# Altium PCB main.PcbDoc (part 1 of 2)
Units mm, origin at the board's own origin, x right, y up, seen from the top; angles counter-clockwise.
Board outline 360 x 125 mm, 2 copper layers (Top Layer, Bottom Layer); 150 components, 259 nets, 682 pads, 0 vias.
Unrouted connection lines stored in the file: 75.
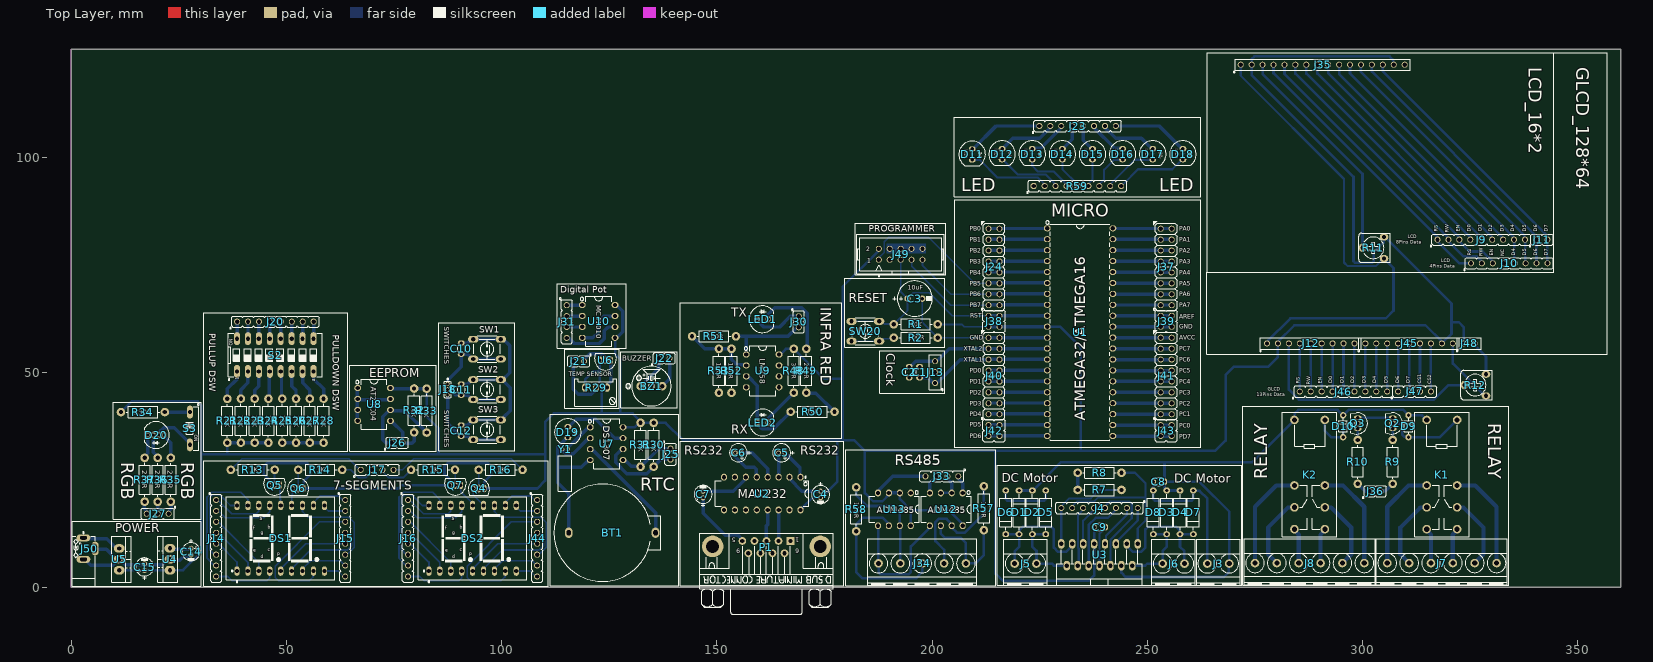
[diagram p0: Top Layer view]
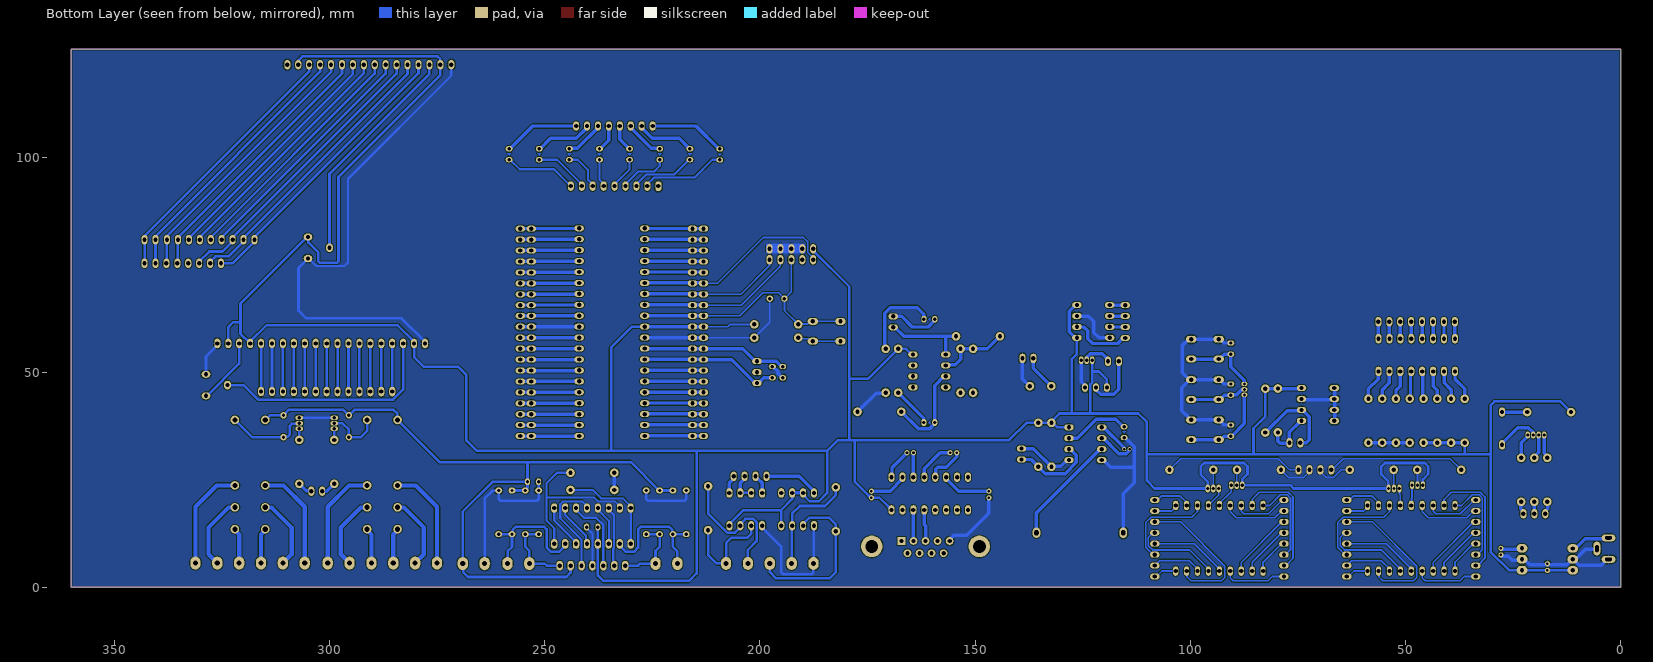
[diagram p1: Bottom Layer view, seen from below]

## Layer stack, top to bottom
Top Solder: solder mask 0.0102, Solder Resist, Dk 3.5
Top Layer: signal copper 0.0356
Dielectric 1: dielectric 0.32, FR-4, Dk 4.8
Bottom Layer: signal copper 0.0356
Bottom Solder: solder mask 0.0102, Solder Resist, Dk 3.5

## Board outline
0,0 0,125 360,125 360,0

## Design rules (kind name [scope] priority, off if disabled: settings)
Clearance [All] p1: gap=0.2 ignorepadtopadclearanceinfootprint=FALSE
PolygonConnect PolygonConnect_2 [All vs IsNamedPolygon('GND_L02_P000')] p1: thpad.connectstyle=Relief thpad.reliefconductorwidth=0.3 thpad.reliefentries=4 thpad.polygonreliefangle="90 Angle" thpad.airgapwidth=0.3 smdpad.connectstyle=Relief smdpad.reliefconductorwidth=0.254 smdpad.reliefentries=4 smdpad.polygonreliefangle="90 Angle" smdpad.airgapwidth=0.254 via.connectstyle=Relief via.reliefconductorwidth=0.254 via.reliefentries=4 via.polygonreliefangle="90 Angle" via.airgapwidth=0.254
PolygonConnect PolygonConnect_1 [All vs IsNamedPolygon('GND_L02_P000')] p2: connectstyle=Relief reliefconductorwidth=0.254 reliefentries=4 polygonreliefangle="90 Angle" airgapwidth=0.3
PolygonConnect [All] p3: connectstyle=Relief reliefconductorwidth=0.254 reliefentries=4 polygonreliefangle="90 Angle" airgapwidth=0.254
RoutingVias [All] p1: holewidth=0.711 width=1.27 viastyle="Through Hole" minholewidth=0.711 minwidth=1.27 maxholewidth=0.711 maxwidth=1.27
SolderMaskExpansion [All] p1: expansion=0.102 istentingtop=FALSE
Width [All] p1: maxlimit=10 minlimit=0.2 preferedwidth=0.25
30 further rules are at their usual default settings.

## Classes and differential pairs
component class programmer: J49
component class power: C14 C15 J50 U4 U5
component class temp_lm35: J21 R29 U6
component class stepper_motor: J1
component class seven_segment: DS1 DS2 J14 J15 J16 J17 J44 Q4 Q5 Q6 Q7 R13 R14 R15 R16
component class rtc: BT1 D19 J25 R30 R31 U7 Y1
component class rs485: J33 J34 R57 R58 U12 U13
component class rs232_usart: C4 C5 C6 C7 P1 U2
component class rgb_led: D20 J27 R34 R35 R36 R37 S3
component class relay: D9 D10 J7 J8 J36 K1 K2 Q2 Q3 R9 R10
component class push_button: C10 C11 C12 J18 SW1 SW2 SW3
component class pull_up_pull_down_switch: J20 R21 R22 R23 R24 R25 R26 R27 R28 S2
component class ps2_connector: PS1
component class led: D11 D12 D13 D14 D15 D16 D17 D18 J23 R59
component class lcd_16_2: J9 J10 J11 J35 R11
component class infra_red: J30 LED1 LED2 R48 R49 R50 R51 R52 R53 U9
component class glcd_128_64: J12 J45 J46 J47 J48 R12
component class eeprom: J26 R32 R33 U8
component class digital_pot: J31 U10
component class dc_motor: C8 C9 D1 D2 D3 D4 D5 D6 D7 D8 J3 J4 J5 J6 R7 R8 U3
component class buzzer: BZ1 J22

## Components (designator, comment, footprint, x,y, rotation, side; value= is the part's Value field where it differs from the comment)
BT1 "BAT3volt" BTH2032 123.36,12.68 r180 top
BZ1 "BUZZER" BZ_C9 134.79,46.754 r0 top
C1 "220pF" C_CER_D3 197.1,50 r90 top
C2 "220pF" C_CER_D3 194.7,50 r270 top
C3 "10uF" C_EL_8X12 196,67.1 r0 top
C4 "1uF" C_EL_4X7 174.087,21.575 r270 top
C5 "1uF" C_EL_4X7 165.07,31.275 r180 top
C6 "1uF" C_EL_4X7 155.037,31.275 r180 top
C7 "1uF" C_EL_4X7 146.782,21.575 r90 top
C8 "100nF" C_CER_D3 252.72,24.525 r0 top
C9 "100nF" C_CER_D3 238.97,14 r180 top
C10 "100nF" C_CER_D3 90.576,55.476 r90 top
C11 "100nF" C_CER_D3 90.576,45.951 r90 top
C12 "100nF" C_CER_D3 90.576,36.426 r90 top
C14 "10uF" C_EL_4X7 27.8,8.3 r270 top
C15 "10uF" C_EL_4X7 17,4.7 r90 top
D1 "1N4007" D_AX04_DO41 220.22,17.425 r90 top
D2 "1N4007" D_AX04_DO41 223.32,17.425 r90 top
D3 "1N4007" D_AX04_DO41 254.52,17.425 r90 top
D4 "1N4007" D_AX04_DO41 257.62,17.425 r90 top
D5 "1N4007" D_AX04_DO41 226.42,17.425 r270 top
D6 "1N4007" D_AX04_DO41 217.12,17.425 r270 top
D7 "1N4007" D_AX04_DO41 260.72,17.425 r270 top
D8 "1N4007" D_AX04_DO41 251.42,17.425 r270 top
D9 "1N4148" D_AX02_DO35 310.72,37.425 r90 top
D10 "1N4148" D_AX02_DO35 295.52,37.425 r90 top
D11 "LED5MM_RED" LED5MM_RED 209.33,100.6 r270 top
D12 "LED5MM_RED" LED5MM_RED 216.283,100.648 r270 top
D13 "LED5MM_RED" LED5MM_RED 223.283,100.648 r270 top
D14 "LED5MM_RED" LED5MM_RED 230.283,100.648 r270 top
D15 "LED5MM_RED" LED5MM_RED 237.283,100.648 r270 top
D16 "LED5MM_RED" LED5MM_RED 244.283,100.648 r270 top
D17 "LED5MM_RED" LED5MM_RED 251.283,100.648 r270 top
D18 "LED5MM_RED" LED5MM_RED 258.283,100.648 r270 top
D19 "LED5MM_RED" LED5MM_RED 115.359,36.048 r270 top
D20 "LED_RGB" LED5RGB 19.663,35.392 r180 top
DS1 "7SEG_2DIGIT_CC" 7SEGX2_16 48.63,11.4 r0 top
DS2 "7SEG_2DIGIT_CC" 7SEGX2_16 93.23,11.4 r0 top
J3 "CONN_TB2" TBG_2 266.52,5.525 r180 top
J4 "HDR1X8" HDR_M_1X8 238.92,18.425 r180 top value=HDRM8
J5 "CONN_TB2" TBG_2 221.72,5.525 r180 top
J6 "CONN_TB2" TBG_2 256.12,5.525 r180 top
J7 "CONN_TB6" TBG_6 318.48,5.637 r180 top
J8 "CONN_TB6" TBG_6 287.746,5.637 r180 top
J9 "HDR1X9" HDR_M_1X9 327.62,80.799 r0 top value=HDRM9
J10 "HDR1X8" HDR_M_1X8 334.12,75.3 r0 top value=HDRM8
J11 "HDRM2" HDR_M_1X2 341.73,80.8 r0 top
J12 "HDRF9" HDR_F_1X9 287.99,56.68 r0 top
J13 "HDRF3" HDR_F_1X3 200.7,50 r90 top
J14 "HDR1X8" HDR_M_1X8 33.63,11.4 r270 top value=HDRM8
J15 "HDR1X8" HDR_M_1X8 63.63,11.4 r270 top value=HDRM8
J16 "HDR1X8" HDR_M_1X8 78.23,11.4 r270 top value=HDRM8
J17 "HDR1X4" HDR_M_1X4 71.035,27.3 r0 top value=HDRM4
J18 "HDRMINI_3" HDRMINI_M_1X3 87.43,46 r270 top
J20 "HDR1X8" HDR_M_1X8 47.396,61.742 r0 top value=HDRM8
J21 "HDRM2" HDR_M_1X2 117.854,52.526 r180 top
J22 "HDRM2" HDR_M_1X2 137.73,53.2 r0 top
J23 "HDR1X8" HDR_M_1X8 233.83,107.2 r0 top value=HDRM8
J24 "HDRM_2X8" HDR_M_2X8 214.4,74.45 r270 top
J25 "HDRM2" HDR_M_1X2 139.219,30.968 r270 top
J26 "HDRM2" HDR_M_1X2 75.681,33.597 r0 top
J27 "HDRM3" HDR_M_1X3 20.044,17.104 r180 top
J30 "HDRM2" HDR_M_1X2 169.03,61.7 r270 top
J31 "HDR1X4" HDR_M_1X4 115.097,61.766 r270 top value=HDRM4
J33 "HDR1X4" HDR_M_1X4 202.283,25.784 r180 top value=HDRM4
J34 "CONN_TB5" TBG_5 197.713,5.555 r180 top
J35 "HDRF16" HDR_F_1X16 290.78,121.45 r0 top
J36 "HDRM2" HDR_M_1X2 302.986,22.352 r0 top
J37 "HDRM_2X8" HDR_M_2X8 254.4,74.45 r270 top
J38 "HDRM_2X2" HDR_M_2X2 214.4,61.83 r270 top
J39 "HDRM_2X2" HDR_M_2X2 254.4,61.83 r270 top
J40 "HDRM_2X8" HDR_M_2X8 214.4,49.11 r270 top
J41 "HDRM_2X8" HDR_M_2X8 254.4,49.11 r270 top
J42 "HDRM_2X2" HDR_M_2X2 214.4,36.43 r270 top
J43 "HDRM_2X2" HDR_M_2X2 254.4,36.43 r270 top
J44 "HDR1X8" HDR_M_1X8 108.23,11.4 r270 top value=HDRM8
J45 "HDRF9" HDR_F_1X9 310.85,56.68 r0 top
J46 "HDR1X9" HDR_M_1X9 295.605,45.485 r0 top value=HDRM9
J47 "HDR1X4" HDR_M_1X4 312.115,45.51 r0 top value=HDRM4
J48 "HDRF2" HDR_F_1X2 324.82,56.68 r0 top
J49 "CONN_ISP" IDC_2X5 192.7,77.4 r0 top
J50 "DC_POWER_JACK" JAC_PWR1 2.8,11.5 r180 top
K1 "TRA3L-12VDC-S-2Z" TR3_RELAY_TIANBO 318.48,26.201 r90 top
K2 "TRA3L-12VDC-S-2Z" TR3_RELAY_TIANBO 287.746,26.201 r90 top
LED1 "IR_TX" LED5MM_RED 160.63,62.3 r0 top
LED2 "IR_RX" LED5MM_RED 160.63,38.3 r0 top
P1 "DSUB_9RF" DSUB_9RF 161.517,9.508 r180 top
Q2 "BC945" TO92_3 307.05,38.125 r270 top
Q3 "BC945" TO92_3 298.92,38.125 r270 top
Q4 "2N2222A" TO92_3 94.663,22.968 r0 top
Q5 "2N2222A" TO92_3 47.197,23.73 r180 top
Q6 "2N2222A" TO92_3 52.658,22.968 r0 top
Q7 "2N2222A" TO92_3 89.202,23.73 r180 top
R1 "10K" R025W_AX04 196.2,61.1 r0 top
R2 "100" R025W_AX04 196.2,58 r180 top
R7 "10K" R025W_AX04 238.92,22.625 r180 top
R8 "10K" R025W_AX04 238.92,26.625 r180 top
R9 "2.2K" R025W_AX04 307.05,29.152 r90 top
R10 "2.2K" R025W_AX04 298.922,29.152 r90 top
R11 "POT10K" POT_7X5 302.53,78.9 r90 top
R12 "POT10K" POT_7X5 326.23,47 r90 top
R13 "1K" R025W_AX04 42.13,27.3 r180 top
R14 "1K" R025W_AX04 57.83,27.3 r0 top
R15 "1K" R025W_AX04 84.03,27.3 r180 top
R16 "1K" R025W_AX04 99.73,27.3 r0 top
R21 "10K" R025W_AX04 36.23,38.7 r270 top
R22 "10K" R025W_AX04 39.393,38.727 r270 top
R23 "10K" R025W_AX04 42.593,38.727 r270 top
R24 "10K" R025W_AX04 45.793,38.727 r270 top
R25 "10K" R025W_AX04 48.993,38.727 r270 top
R26 "10K" R025W_AX04 52.193,38.727 r270 top
R27 "10K" R025W_AX04 55.393,38.727 r270 top
R28 "10K" R025W_AX04 58.593,38.727 r270 top
R29 "POT10K" POT_3296W 121.918,46.43 r180 top
R30 "10K" R025W_AX04 135.298,33.127 r270 top
R31 "10K" R025W_AX04 132.25,33.127 r270 top
R32 "10K" R025W_AX04 79.63,41.1 r90 top
R33 "10K" R025W_AX04 82.539,41.071 r90 top
R34 "330" R025W_AX04 16.615,40.726 r180 top
R35 "220" R025W_AX04 23.092,24.978 r270 top
R36 "220" R025W_AX04 20.044,24.978 r270 top
R37 "220" R025W_AX04 17.03,25 r270 top
R48 "330" R025W_AX04 167.87,50.329 r270 top
R49 "220" R025W_AX04 170.791,50.329 r270 top
R50 "10K" R025W_AX04 172.23,40.8 r0 top
R51 "100" R025W_AX04 149.328,58.33 r180 top
R52 "100" R025W_AX04 153.392,50.329 r270 top
R53 "100" R025W_AX04 150.471,50.329 r270 top
R57 "120" R025W_AX04 212.048,18.382 r90 top
R58 "120" R025W_AX04 182.362,18.128 r90 top
R59 "RES_ARRAY_330R" RES_ARRAYX8 233.783,93.248 r0 top
S2 "DIPSW12" DIPSW254T_12 52.449,53.987 r90 top
S3 "DIPSW12" DIPSW254T_1 27.537,36.916 r270 top
SW1 "PUSHBUTTON" SWPBT_SPDT_6X6X5 96.584,55.349 r180 top
SW2 "PUSHBUTTON" SWPBT_SPDT_6X6X5 96.584,45.951 r180 top
SW3 "PUSHBUTTON" SWPBT_SPDT_6X6X5 96.584,36.616 r180 top
SW20 "PUSHBUTTON" SWPBT_SPDT_6X6X5 184.5,59.5 r180 top
U1 "ATMEGA32" DIP_40DW 234.4,59.3 r0 top
U2 "MAX232" DIP_16 160.53,21.8 r270 top
U3 "L298N" MULTIWATT_15V 238.92,5.025 r180 top
U4 "LF33" TO220_3 22.9,6.54 r90 top
U5 "MC78M05" TO220_3 11.1,6.5 r270 top
U6 "LM35" TO92_3 124.077,52.78 r180 top
U7 "DS1307" DIP_8 124.376,33.381 r0 top
U8 "AT24C04_DIP8" DIP_8 70.33,42.5 r0 top
U9 "LM358" DIP_8 160.63,50.3 r0 top
U10 "MC41010_DIP8" DIP_8 122.53,61.8 r0 top
U12 "ADM485" DIP_8 203.301,18.128 r270 top
U13 "ADM485" DIP_8 191.236,18.128 r270 top
Y1 "AB38T-32.768KHZ" XTAL_AB38T-32.768KHZ 114.724,32.111 r90 top

## Footprints (in the part's own frame and the unit in brackets; to place one, negate y for a bottom-side part, rotate by r counter-clockwise, add the part's x,y. Pads: shape width x height; smd on the part's side, far side on the other; paste and mask are expansions set on the pad)
7SEGX2_16 [mm] "7SEG 2DIGIT 5621 0.56\", 16pin Pitch: 2.54mm, 19X25mm"
  oval 1.2x2.2 hole 1: 1(-10.16,-7.62) 2(-7.62,-7.62) 3(-5.08,-7.62) 4(-2.54,-7.62) 5(0,-7.62) 6(2.54,-7.62) 7(5.08,-7.62) 8(7.62,-7.62) 9(10.16,-7.62) 10(10.16,7.62) 11(7.62,7.62) 12(5.08,7.62) 13(2.54,7.62) 14(0,7.62) 15(-2.54,7.62) 16(-5.08,7.62) 17(-7.62,7.62) 18(-10.16,7.62)
  silkscreen extent -12.6,-10.3 12.6,9.6, body extent -12.5,-9.52 12.5,9.53, height 8.2
BTH2032 [mm]
  oval 1.8x2.4 hole 1 slot 1.2 at 90 deg: 1(-12.38,0) 2(7.78,0)
  silkscreen extent -13.6,-11.3 11.25,11.3, body extent -13.45,-11 11.05,11, height 8.5
BZ_C9 [mm]
  round 2 hole 1: 1(-2.5,0) 2(2.5,0)
  silkscreen extent -6,-4.6 4.6,4.6, body extent -4.55,-4.55 4.55,4.55, height 5.6
C_CER_D3 [mm]
  oval 1.2x1.6 hole 0.8: 1(-1.3,0) 2(1.3,0)
  silkscreen extent -0.78,-0.9 0.78,0.9, body extent -1.75,-0.75 1.75,0.75, height 4
C_EL_4X7 [mm] "Cap Elec, D4.0X7.0H pitch: 1.5mm"
  round 1.2 hole 0.6: 1(-0.762,0) 2(0.762,0)
  silkscreen extent -2.9,-2.1 2.13,2.1, body extent -2,-2 2,2, height 1
C_EL_8X12 [mm]
  round 1.5 hole 0.8: 1(-1.7,0) 2(1.7,0)
  silkscreen extent -5.1,-4.1 4.1,4.1, body extent -4.02,-4.03 4.03,4.03, height 2.98
D_AX02_DO35 [mm]
  round 1.5 hole 0.8: 1(-2.54,0) 2(2.54,0)
  silkscreen extent -1.91,-1 1.93,1, body extent -2.81,-0.9 2.81,0.9, height 1.82
D_AX04_DO41 [mm] "DIODE 0.4 INCH SPACING DO-41"
  oval 1.4x1.6 hole 0.8: 1(-5.08,0) 2(5.08,0)
  silkscreen extent -4.2,-1.4 4.2,1.4, body extent -5.68,-1.32 5.68,1.4, height 2.85
DIP_8 [mm]
  oval 1.6x1.4 / inner round 1.4 / far side oval 2.2x1.4 hole 1: 1(-3.81,3.81) 2(-3.81,1.27) 3(-3.81,-1.27) 4(-3.81,-3.81) 5(3.81,-3.81) 6(3.81,-1.27) 7(3.81,1.27) 8(3.81,3.81)
  silkscreen extent -4.3,-5.8 3,5.8, body extent -3.94,-5.7 3.94,5.73, height 4.19
DIP_16 [mm] "DIP, pitch 2.54mm, 300mil Width"
  oval 1.6x1.4 / inner round 1.4 / far side oval 2.2x1.4 hole 1: 1(-3.81,8.89) 2(-3.81,6.35) 3(-3.81,3.81) 4(-3.81,1.27) 5(-3.81,-1.27) 6(-3.81,-3.81) 7(-3.81,-6.35) 8(-3.81,-8.89) 9(3.81,-8.89) 10(3.81,-6.35) 11(3.81,-3.81) 12(3.81,-1.27) 13(3.81,1.27) 14(3.81,3.81) 15(3.81,6.35) 16(3.81,8.89)
  silkscreen extent -4,-10.87 3,10.87, body extent -3.93,-10 3.94,10, height 5.1
DIP_40DW [mm]
  oval 1.6x1.4 / inner round 1.4 / far side oval 2.2x1.4 hole 1: 1(-7.62,24.13) 2(-7.62,21.59) 3(-7.62,19.05) 4(-7.62,16.51) 5(-7.62,13.97) 6(-7.62,11.43) 7(-7.62,8.89) 8(-7.62,6.35) 9(-7.62,3.81) 10(-7.62,1.27) 11(-7.62,-1.27) 12(-7.62,-3.81) 13(-7.62,-6.35) 14(-7.62,-8.89) 15(-7.62,-11.43) 16(-7.62,-13.97) 17(-7.62,-16.51) 18(-7.62,-19.05) 19(-7.62,-21.59) 20(-7.62,-24.13) 21(7.62,-24.13) 22(7.62,-21.59) 23(7.62,-19.05) 24(7.62,-16.51) 25(7.62,-13.97) 26(7.62,-11.43) 27(7.62,-8.89) 28(7.62,-6.35) 29(7.62,-3.81) 30(7.62,-1.27) 31(7.62,1.27) 32(7.62,3.81) 33(7.62,6.35) 34(7.62,8.89) 35(7.62,11.43) 36(7.62,13.97) 37(7.62,16.51) 38(7.62,19.05) 39(7.62,21.59) 40(7.62,24.13)
  silkscreen extent -8,-25.1 6.9,25.88, body extent -7.65,-25 7.65,25, height 5.5
DIPSW254T_1 [mm] "SWITCH DIP 1POS, THD, 2.54mm"
  oval 3x1.4 / inner round 1.4 / far side oval 2.2x1.4 hole 1: 1(-3.81,0) 4(3.81,0)
  silkscreen extent -5.8,-0.87 5.1,2.14, body extent -5,-2 5,2, height 6.86
DIPSW254T_12 [mm] "SWITCH DIP 12POS, THD, 2.54mm,"
  oval 3x1.4 / inner round 1.4 / far side oval 2.2x1.4 hole 1: 1(-3.81,13.97) 2(-3.81,11.43) 3(-3.81,8.89) 4(-3.81,6.35) 5(-3.81,3.81) 6(-3.81,1.27) 7(-3.81,-1.27) 8(-3.81,-3.81) 17(3.81,-3.81) 18(3.81,-1.27) 19(3.81,1.27) 20(3.81,3.81) 21(3.81,6.35) 22(3.81,8.89) 23(3.81,11.43) 24(3.81,13.97)
  silkscreen extent -5.9,-5.84 5.1,16, body extent -4.95,-5.59 4.95,15.95, height 6.35
DSUB_9RF [mm] "CONN, DSUB MINIATURE, 9PIN, R/A, FEMALE"
  rect 1.8x1.8 hole 1 mask+0.1: 1(-5.6,-1.27)
  round 1.8 hole 1 mask+0.1: 2(-2.8,-1.27) 3(0,-1.27) 4(2.8,-1.27) 5(5.6,-1.27) 6(-4.2,1.57) 7(-1.4,1.57) 8(1.4,1.57) 9(4.2,1.57)
  round 5 hole 3: MH1(-12.5,0) MH2(12.5,0)
  silkscreen extent -15.5,-3 15.5,15.8, body extent -15.4,-2.9 15.4,15.6, height 12.8
HDR_F_1X2 [mm] "HEADER FEMALE pitch: 2.54mm"
  round 1.4 / inner round 1.4 / far side oval 1.4x2.2 hole 1 mask+0.1: 1(-1.27,0) 2(1.27,0)
  silkscreen extent -3,-1.9 2.8,1.3, body extent -2.66,-1.3 2.67,1.2, height 8.5
HDR_F_1X3 [mm] "HEADER FEMALE pitch: 2.54mm"
  round 1.4 / inner round 1.4 / far side oval 1.4x2.2 hole 1 mask+0.1: 1(-2.54,0) 2(0,0) 3(2.54,0)
  silkscreen extent -4.27,-1.9 4.1,1.3, body extent -3.93,-1.3 3.94,1.2, height 8.5
HDR_F_1X9 [mm] "HEADER FEMALE pitch: 2.54mm"
  round 1.4 / inner round 1.4 / far side oval 1.4x2.2 hole 1 mask+0.1: 1(-10.16,0) 2(-7.62,0) 3(-5.08,0) 4(-2.54,0) 5(0,0) 6(2.54,0) 7(5.08,0) 8(7.62,0) 9(10.16,0)
  silkscreen extent -11.89,-1.9 11.7,1.3, body extent -11.55,-1.3 11.56,1.2, height 8.5
HDR_F_1X16 [mm] "Connector; Header; 16 Position"
  round 1.4 / inner round 1.4 / far side oval 1.4x2.2 hole 1: 1(-19.05,0) 2(-16.51,0) 3(-13.97,0) 4(-11.43,0) 5(-8.89,0) 6(-6.35,0) 7(-3.81,0) 8(-1.27,0) 9(1.27,0) 10(3.81,0) 11(6.35,0) 12(8.89,0) 13(11.43,0) 14(13.97,0) 15(16.51,0) 16(19.05,0)
  silkscreen extent -20.78,-1.9 20.32,1.27, body extent -20.32,-1.27 20.32,1.27, height 8.5
HDR_M_1X2 [mm] "Connector; Header; 2 Position"
  round 1.4 / inner round 1.4 / far side oval 1.4x2.2 hole 1 mask+0.1: 1(-1.27,0) 2(1.27,0)
  silkscreen extent -3,-1.7 2.57,1.3, body extent -2.54,-1.25 2.44,1.25, height 8.72
HDR_M_1X3 [mm] "Connector; Header; 3 Position"
  round 1.4 / inner round 1.4 / far side oval 1.4x2.2 hole 1 mask+0.1: 1(-2.54,0) 2(0,0) 3(2.54,0)
  silkscreen extent -4.2,-1.7 3.84,1.3, body extent -3.78,-1.27 3.84,1.27, height 8.54
HDR_M_1X4 [mm] "Connector; Header; 4 Position"
  round 1.4 / inner round 1.4 / far side oval 1.4x2.2 hole 1 mask+0.1: 1(-3.81,0) 2(-1.27,0) 3(1.27,0) 4(3.81,0)
  silkscreen extent -5.5,-1.7 5.11,1.3, body extent -5.08,-1.27 5.08,1.27, height 8.54
HDR_M_1X8 [mm] "Connector; Header; 8 Position"
  round 1.4 / inner round 1.4 / far side oval 1.4x2.2 hole 1 mask+0.1: 1(-8.89,0) 2(-6.35,0) 3(-3.81,0) 4(-1.27,0) 5(1.27,0) 6(3.81,0) 7(6.35,0) 8(8.89,0)
  silkscreen extent -10.6,-1.7 10.19,1.3, body extent -10.16,-1.3 10.16,1.19, height 8.54
HDR_M_1X9 [mm] "Connector; Header; 9 Position"
  round 1.4 / inner round 1.4 / far side oval 1.4x2.2 hole 1 mask+0.1: 1(-10.16,0) 2(-7.62,0) 3(-5.08,0) 4(-2.54,0) 5(0,0) 6(2.54,0) 7(5.08,0) 8(7.62,0) 9(10.16,0)
  silkscreen extent -11.9,-1.7 11.46,1.3, body extent -11.43,-1.3 11.43,1.19, height 8.54
HDR_M_2X2 [mm] "Connector; Header; 2x2 Position"
  round 1.4 / inner round 1.4 / far side oval 1.4x2.2 hole 1: 1(-1.27,-1.27)
  round 1.4 / inner round 1.4 / far side oval 1.4x2.2 hole 1 mask+0.1: 2(-1.27,1.27) 3(1.27,-1.27) 4(1.27,1.27)
  silkscreen extent -3,-2.97 2.57,2.57, body extent -2.56,-2.54 2.47,2.54, height 8.54
HDR_M_2X8 [mm] "Male Header 2X08 with 2.54 mm Pitch"
  round 1.4 / inner round 1.4 / far side oval 1.4x2.2 hole 1: 1(-8.89,-1.27) 2(-8.89,1.27) 3(-6.35,-1.27) 4(-6.35,1.27) 5(-3.81,-1.27) 6(-3.81,1.27) 7(-1.27,-1.27) 8(-1.27,1.27) 9(1.27,-1.27) 10(1.27,1.27) 11(3.81,-1.27) 12(3.81,1.27) 13(6.35,-1.27) 14(6.35,1.27) 15(8.89,-1.27) 16(8.89,1.27)
  silkscreen extent -10.6,-3 10.16,2.54, body extent -10.16,-2.54 10.16,2.54, height 8.43
HDRMINI_M_1X3 [mm]
  round 1 / inner round 1 / far side oval 1x1.4 hole 0.7 mask+0.05: 1(-1.27,0) 2(0,0) 3(1.27,0)
  silkscreen extent -2.61,-0.8 1.91,0.8, body extent -1.91,-0.64 1.91,0.64, height 7.3
IDC_2X5 [mm] "IDC, HEADER BOX 2X5, 10p, 2.54mm pitch"
  round 1.4 / inner round 1.4 / far side oval 1.4x2.2 hole 1 mask+0.1: 1(-5.08,-1.27) 2(-5.08,1.27) 3(-2.54,-1.27) 4(-2.54,1.27) 5(0,-1.27) 6(0,1.27) 7(2.54,-1.27) 8(2.54,1.27) 9(5.08,-1.27) 10(5.08,1.27)
  silkscreen extent -10.16,-5.2 10.16,4.6, body extent -10.18,-4.42 10.18,4.75, height 9.13
JAC_PWR1 [mm] "DC POWER JACK, 1mm, Power Jack PJ-031C"
  oval 3.2x1.6 hole 0.8 slot 1.6 at 0 deg: 1(0,0) 2(0,5)
  oval 1.6x3.2 hole 0.8 slot 1.6 at 90 deg: 3(-2.7,2.5)
  silkscreen extent -2.7,-1.4 2.6,11.3, body extent -2.9,-0.4 2.5,11.2, height 7.4
LED5MM_RED [mm]
  oval 1.2x1.6 hole 0.8: 1(-1.27,0) 2(1.27,0)
  Bottom Layer region: -0.2,0.5 -0.2,-0.5 0.3,0
  silkscreen extent -3.1,-3.1 2.6,3.1, body extent -3,-3 2.5,3, height 9.14
LED5RGB [mm]
  oval 1x1.6 hole 0.8 mask+0.1: 1(-1.905,0) 2(-0.635,0) 3(0.627,0) 4(1.905,0)
  silkscreen extent -3.1,-3.1 2.6,3.1, body extent -2.83,-2.95 2.63,2.95, height 9.6
MULTIWATT_15V [mil] "L298 straight MULTIWATT15 pitch: 1.27mm 20x5mm"
  oval 59.06x90 hole 40: 1(-350,-200) 2(-300,0) 3(-250,-200) 4(-200,0) 5(-150,-200) 6(-100,0) 7(-50,-200) 8(0,0) 9(50,-200) 10(100,0) 11(150,-200) 12(200,0) 13(250,-200) 14(300,0) 15(350,-200)
  silkscreen extent -390,-146 390,181, body extent -386,-213 386,177, height 819
POT_7X5 [mm] "POT, TRIM, 7.5X5.0mm, pitch: 5.0mm"
  oval 1.6x2 hole 1: 1(-2.5,-2.5) 3(2.5,-2.5)
  oval 2x1.6 hole 1: 2(0,2.5)
  silkscreen extent -3.4,-3.9 3.4,3.4, body extent -3.25,-3.78 3.25,3.27, height 7
POT_3296W [mm] "POT, TRIM, 10.0X5.0mm, pitch: 2.5mm 3299W 3296W S64W"
  oval 1.4x2 / inner round 1.2 / far side oval 1.4x2 hole 0.9: 1(-2.54,0) 2(0,0) 3(2.54,0)
  silkscreen extent -4.8,-2 4.9,4.4, body extent -4.73,-1.85 4.8,4.25, height 11.56
R025W_AX04 [mm]
  round 2 hole 1: 1(-5.1,0) 2(5.1,0)
  silkscreen extent -3.9,-1.3 3.9,1.3, body extent -5.38,-1.28 5.38,1.28, height 2.6
RES_ARRAYX8 [mm]
  oct 1.4x1.4 / inner oct 1.4x1.4 / far side oct 1.4x2.2 hole 1 mask+0.1: 1(-10.16,0)
  round 1.4 / inner round 1.4 / far side oval 1.4x2.2 hole 1 mask+0.1: 2(-7.62,0) 3(-5.08,0) 4(-2.54,0) 5(0,0) 6(2.54,0) 7(5.08,0) 8(7.62,0) 9(10.16,0)
  silkscreen extent -11.83,-1.7 11.46,1.3, body extent -11.41,-1.3 11.41,1.2, height 6.43
SWPBT_SPDT_6X6X5 [mm] "SWITCH, PUSHBUTTON, THD, SPDT, 6X6mm"
  oval 2.4x1.6 hole 1 mask+0.1: 1(-3.2,2.3) 2(-3.2,-2.3) 3(3.2,-2.3) 4(3.2,2.3)
  silkscreen extent -3.1,-3.1 3.1,3.1, body extent -3.87,-3.01 3.87,3.02, height 5.01
TBG_2 [mm]
  round 2 / inner round 2 / far side oval 2.4x3 hole 1.2: 1(-2.54,0) 2(2.54,0)
  silkscreen extent -5.08,-5.6 5.05,5.08, body extent -5,-5.5 5,5, height 14
TBG_5 [mm]
  round 2 / inner round 2 / far side oval 2.4x3 hole 1.2: 1(-10.16,0) 2(-5.08,0) 3(0,0) 4(5.08,0) 5(10.16,0)
  silkscreen extent -12.7,-5.7 12.7,5.08, body extent -12.58,-5.5 12.62,5, height 14.1
TBG_6 [mm]
  round 2 / inner round 2 / far side oval 2.4x3 hole 1.2: 1(-12.7,0) 2(-7.62,0) 3(-2.54,0) 4(2.54,0) 5(7.62,0) 6(12.7,0)
  silkscreen extent -15.24,-5.6 15.24,5.08, body extent -15.12,-5.5 15.12,5, height 14.1
TO92_3 [mm]
  oval 1x1.8 hole 0.8 mask+0.1: 1(-1.27,0) 2(0,0) 3(1.27,0)
  silkscreen extent -2.5,-1.59 2.5,2.3, body extent -2.38,-1.45 2.38,2.18, height 4.82
TO220_3 [mm] "TO-220 3 LEAD, TO-262, pitch: 2.54mm  10x4.5mm"
  oval 2x2.5 hole 1: 1(-2.54,0) 2(0,0) 3(2.54,0)
  silkscreen extent -5.33,-1.78 5.33,2.79, body extent -5.2,-1.85 5.2,2.65, height 19
TR3_RELAY_TIANBO [mm]
  round 2 hole 1.2: 1(-12.69,3.53) 2(-7.61,3.53) 3(-2.53,3.53) 4(12.69,3.53) 5(12.69,-3.53) 6(-2.53,-3.53) 7(-7.61,-3.53) 8(-12.69,-3.53)
  silkscreen extent -14.5,-6.35 14.5,6.35
XTAL_AB38T-32.768KHZ [mm]
  round 0.91 hole 0.56: 1(0,0.635) 2(0,-0.635)
  silkscreen extent -9.8,-1.6 -1.5,1.6

## Part data
BT1: library part BATH_CR2032, "BATTERY HOLDER, CR2032", .=http://www.chila.ir, MANF_P#=-
BZ1: library part BUZZER_C9, "Buzzer, 9mm, Magnetic Transducer", MANF=Mallory, MANF_P#=PB-09N23P-03Q, PARAM=2.7KHz, PARAM2="3V, 30mA", PRICE=$3
C1 C2 C8 C9 C10 C11 C12: library part CAP_THD_CERML, "CAP, THD, CER MULTI LAYER,", ASSEMBLY=ASSEMBLY, DESC="CAP, CER MULTI LAYER,", MANF=MANF, MANF_P#=MANF_PART#, PARAM=50V, PARAM2=PARAM2, PRICE="100= 1$"
C3: library part CAP_THD_EL, "CAP, THD, ELEC,", ASSEMBLY=ASSEMBLY, DESC=DESCRIPTION, DIST#=MOUSER, MANF=MANF, MANF_P#=MANF_PART#, PARAM=20%, PARAM2=25V, PRICE="10= 5$"
C4 C5 C6 C7 C14 C15: library part CAP_THD_EL_10u25V, "CAP, THD, ELEC, 10uF, 25V", MANF=MANF, MANF_P#=MANF_PART#, PARAM=25V, PARAM2=PARAM2
D1 D2 D3 D4 D5 D6 D7 D8: library part DIODE_SMD_1N4007, "DIODE, GENERAL PURPOSE, 1000V/1A", ASSEMBLY=ASSEMBLY, DESC=DESCRIPTION, MANF=Kingtronics, MANF_P#=M7, PARAM="1000V VRRM", PARAM2=1A, PRICE=PRICE
D9 D10: library part DIODE_THD_1N4148_DO35, "DIODE, FAST SWTICHING, THD", ASSEMBLY=ASSEMBLY, DESC=DESCRIPTION, MANF=MANF, MANF_P#=1N4148, PARAM=75V, PARAM2=0.3A, PRICE=PRICE
D11 D12 D13 D14 D15 D16 D17 D18 D19: library part LED_THD_5MM_RED, "LED, THD, 5MM, RED", ASSEMBLY=ASSEMBLY, DESC=DESCRIPTION, MANF=MANF, MANF_P#=MANF_PART#, PARAM2=2.2V, PRICE=PRICE
D20: library part LED_THD_5MM_RGB_CA, "LED, THD, 5MM, RGB COMMON CATHODE", ASSEMBLY=ASSEMBLY, DESC=DESCRIPTION, MANF="CHINA YOUNG", MANF_P#=YSL-R596CR3G4B5C-C10, PRICE=PRICE
DS1 DS2: "7SEGMENT, 2DIGIT, common cathode"
J3 J5 J6 J7 J8 J34: "CONN, TERMINAL BLOCK, 5.08mm pitch"
J4 J10 J14 J15 J16 J20 J23 J44: library part HDR_M_1X8, "CONN, HEADER, Male, pitch: 2.54mm, 8POS"
J9 J46: library part HDR_M_1X9, "CONN, HEADER, Male, pitch: 2.54mm, 9POS"
J11 J21 J22 J25 J26 J30 J36: library part HDR_M_1X2, "CONN, HEADER, Male, pitch: 2.54mm, 2POS"
J12 J45: library part HDR_F_1X9, "CONN, HEADER, Female, pitch: 2.54mm, 9POS"
J13: library part HDR_F_1X3, "CONN, HEADER, Female, pitch: 2.54mm, 3POS"
J17 J31 J33 J47: library part HDR_M_1X4, "CONN, HEADER, Male, pitch: 2.54mm, 4POS"
J18: library part HDRMINI_M_1X3, "CONN, HEADER, Male, pitch: 1.27mm, 3POS"
J24 J37 J40 J41: library part HDR_M_2X8, "CONN, HEADER, Male, pitch: 2.54mm, 16POS"
J27: library part HDR_M_1X3, "CONN, HEADER, Male, pitch: 2.54mm, 3POS"
J35: library part HDR_F_1X16, "CONN, HEADER, Female, pitch: 2.54mm, 16POS"
J38 J39 J42 J43: library part HDR_M_2X2, "CONN, HEADER, Male, pitch: 2.54mm, 4POS", MANF=MANF, MANF_P#=MANF_PART#
J48: library part HDR_F_1X2, "CONN, HEADER, Female, pitch: 2.54mm, 2POS"
J49: library part CONN_AVR_ISP_IDC10, "CONN, ISP, AVR"
J50: library part CONN_PWR_JACKR1, "CONN, PWR JACK DC, PLUG DIAM 1.0MM RA THD", MANF="CUI STACK", MANF_P#="PJ-031CH, PJ-031C", PARAM="CH 3A, C 2A"
K1 K2: library part RELAY_TRA3, MANF=TIANBO
LED1 LED2 U3: "CREATED BY J"
P1: library part CONN_DSUB_9RF, "CONN, DSUB, HD, 9PIN, R/A, FEMALE, THD", MANF=-, MANF_P#=-
Q2 Q3: library part NPN_BC945_TO92, "BJT, NPN, 50v, 0.15A, THD, TO92, BC945", MANF=-, MANF_P#="2SC945, BC945", PARAM="50v, 0.15A", PARAM2=250mW
Q4 Q5 Q6 Q7: library part NPN_2N2222A_TO92, "BJT, NPN, 40v, 0.6A, THD, TO92", MANF=DIOTEC, MANF_P#=2N2222A, PARAM="0.6A, hFE100~300", PARAM2="40v, 625mW"
R1 R2 R7 R8 R9 R10 R13 R14 R15 R16 R21 R22 R23 R24 R25 R26 R27 R28 R30 R31 R32 R33 R34 R35 R36 R37 R48 R49 R50 R51 R52 R53 R57 R58: library part RES_THD, "RESISTOR, THD", ASSEMBLY=ASSEMBLY, DESC=DESCRIPTION, DIST#=MOUSER, MANF="KOA SPEER", MANF_P#=RK73H1ETTP4701F, PARAM=0.063W, PARAM2=1%, PRICE="100= 0.5$"
R11 R12: library part RES_THD_POT_7X5, "RESISTOR, THD, Potentiometer"
R29: library part RES_THD_POT_3296W, "RESISTOR, THD, Potentiometer"
R59: library part RES_THD_ARRAY, "RESISTOR, THD, Array, 8RES"
S2 S3: library part DIPSW254T_12P, "SWITCH, DIP, 12P, THD", MANF=MANF, MANF_P#=MANF_P#
SW1 SW2 SW3 SW20: library part SWPBT_SPDT_6X6X5, "SWITCH, PUSH BUTTON, TACTILE, THD, SPDT, 4X4MM", ASSEMBLY=ASSEMBLY, DESC=DESCRIPTION, MANF=-, MANF_P#=-, PARAM=PARAM, PRICE=PRICE
U1: library part ATMEGA32A_DIP40, "MCU, AVR, 8-Bit, 32KB, 2KB RAM, 16MHz", DESC="1KB EEPROM", MANF=ATMEL/MICROCHIP, MANF_P#=ATMEGA32A-PU, PARAM="32KB, 2KB RAM, 16MHz, -40~85°C", PARAM2=2.7~5.5V, PRICE=3.5$
U2: library part MAX232_DIP16, "RS-232, DUAL, +5V, Driver/Receiver", MANF="Texas Instruments, Maxim Integrated", MANF_PART#="MAX232N, MAX232ACPE", PARAM=PARAM, PRICE=1500toman@PAYA
U4: library part VREG_LFXX_TO220, "REG, Linear, LDO0.45V, 0.5A, TO-220", MANF=ST, MANF_P#=LF33, PARAM="LDO0.45V, 0.5A", PARAM2=1.5/1.8/2.5/3.3/5V, PRICE=1500t
U5: library part VREG_78M05_TO220, "REG, Linear, Fixed, 5v, 1.5A, TO-220", MANF="TI, ST, FAIRCHILD, ON, NJR, TS", MANF_P#="LM78M05CT, LM7805CT, LM7805ACT, UA7805CKC, L7805ABV, L7805ACV, L7805CV, L78M05CV, KA78T05, KA7805ETU, MC78M05BT, MC78M05CT, MC7805ACT, MC7805ABT, NCP7805TG, NJM7805FA, TS7805CZ", PARAM="5v, 1.5A", PARAM2=PARAM2
U6: library part TMP_LM35_TO92, "SENSOR, TEMP, ANALOG, -55~150oC, 4~20Vcc, Out 0mV + 10mV/oC", MANF=TI, MANF_P#="LM35CZ, LM35CAZ or LM35DZ", PARAM="0.5°C Accuracy, 10mV/oC, -55~150oC", PARAM2=4~20Vcc, PRICE=7$
U7: library part DS1307_DIP8, "Real-Time Clock, 64 X8, I2C, 56B, Batt", MANF="Maxim Integrated", MANF_P#=DS1307N+, PARAM="64 X8, I2C, 56B, Batt, -40~85oC", PARAM2=4.5~5.5V, PRICE=3.7$
U8: library part EEPROM_I2C_AT24C04_DIP8
U9: library part LM358_DIP8, "AMP, Dual, Low-Power", MANF="Texas Instruments, Fairchild", MANF_P#=LM358AN, PARAM2="3 V ~ 32 V, ±1.5 V ~ 16 V", PRICE=-
U10: library part MCP41010_DIP8, "CREATED BY J / Single/Dual Digital Potentiometer with SPI™ Interface", MANF=MICROCHIP
U12 U13: library part ADM485_DIP8, "RS-485 Transceiver, 5V, DIP-8, ±7V Ground Difference Between Devices on the Bus", MANF="Analog Devices", MANF_P#=ADM485AN, PRICE=4000toman@PAYA
Y1: Package=None, Availability=Unavailable, MP=AB38T-32.768KHZ, PRICE=None

## Nets (pads, with @x,y where several pads share a name; then routed paths per layer and width w, separated by ;. In a path a pad name is that pad's centre, name@x,y a point inside that pad or via, vN(x,y) a via of type N, cw(c..) or ccw(c..) an arc to the next point about the centre after c; other vN are vias at no path point)
3V3: C14.1 U4.3 | length 4.9
  Bottom Layer w0.6: U4.3@22.7,8.88 U4.3@22.709,8.871 ; C14.1@27.591,8.871 C14.1@27.6,8.862
  Bottom Layer w0.8: U4.3@22.709,8.871 C14.1@27.591,8.871
"7 ~ 9V": J50.1 U5.1 | length 9.3
  Bottom Layer w0.8: J50.1@2.6,11.3 8.19,11.3 10.65,8.84 U5.1@10.9,8.84
+12: C8.2 D1.2 D2.2 D3.2 D4.2 D9.2 D10.2 J3.1 K1.4 K2.4 U3.4 | length 174.8
  Bottom Layer w0.6: D1.2@220.22,22.505 D2.2@223.32,22.505 223.42,22.505 230.015,29.1 254.1,29.1 ; U3.4@244,5.025 244,3.4 245,2.4 267.8,2.4 268.958,3.558 268.958,5.423 J3.1@269.06,5.525 269.06,17.61 262.17,24.5 254.045,24.5 C8.2@254.02,24.525 ; D4.2@257.62,22.505 D3.2@254.52,22.505 254.52,22.621 254.02,23.121 C8.2@254.02,24.525 ; K1.4@314.95,38.891 313.876,39.965 D9.2@310.72,39.965 309.385,41.3 296.855,41.3 D10.2@295.52,39.965 295.507,39.965 294.247,41.225 285.12,41.225 284.245,40.35 284.245,38.92 K2.4@284.216,38.891 274.425,29.1 254.1,29.1 ; C8.2@254.02,24.525 254.02,29.02 254.1,29.1
A1: J34.1 R57.1 U12.6 | length 24.1
  Bottom Layer w0.6: U12.6@202.031,14.318 202.031,12.446 202.993,11.484 206.693,11.484 207.873,10.304 J34.1@207.873,5.555 210.064,5.555 212.048,7.539 R57.1@212.048,13.282
A2: J34.3 R58.1 U13.6 | length 38.9
  Bottom Layer w0.6: U13.6@189.966,14.318 189.966,14.718 188.5,16.184 183.993,16.184 182.362,14.553 182.362,3.515 183.793,2.084 196.274,2.084 197.697,3.507 197.697,5.539 J34.3@197.713,5.555
AREF: J39.1 J39.2 U1.32 | length 13.6
  Bottom Layer w0.8: U1.32@242.065,63.065 J39.2@255.625,63.065
AVCC: J41.1 J41.2 U1.30 | length 13.6
  Bottom Layer w0.8: U1.30@242.065,57.985 J41.2@255.625,57.985
B1: J34.2 R57.2 U12.7 | length 31.6
  Bottom Layer w0.6: J34.2@202.793,5.555 202.793,8.73 200.761,10.762 200.761,15.146 201.534,15.918 203.371,15.918 U12.7@204.571,14.718 ; U12.7@204.571,14.318 204.571,13.918 205.771,12.718 207.608,12.718 212.048,17.158 R57.2@212.048,23.482
B2: J34.4 R58.2 U13.7 | length 25.3
  Bottom Layer w0.6: R58.2@182.362,23.228 182.362,21.415 184.878,18.9 190.719,18.9 192.506,17.112 U13.7@192.506,14.318 192.57,14.255 192.57,5.619 J34.4@192.633,5.555
BLUE: D20.4 R37.1 | length 5.6
  Bottom Layer w0.8: R37.1@16.996,30.078 16.996,30.403 17.758,31.165 D20.4@17.758,35.392
CLK: 
COM2: J8.2 K2.7 | length 17.2
  Bottom Layer w1: K2.7@291.276,18.591 291.332,18.535 292.755,18.535 297.398,13.892 297.398,7.669 J8.2@295.366,5.637
COM3: J7.5 K1.2 | length 17.2
  Bottom Layer w1: J7.5@310.86,5.637 308.828,7.669 308.828,13.892 313.471,18.535 314.894,18.535 K1.2@314.95,18.591
COM4: J7.2 K1.7 | length 17.2
  Bottom Layer w1: K1.7@322.01,18.591 322.066,18.535 323.489,18.535 328.132,13.892 328.132,7.669 J7.2@326.1,5.637
CS1_: J45.6 J47.3 | length 11.2
  Bottom Layer w0.6: J47.3@313.385,45.51 313.387,45.513 313.387,56.677 J45.6@313.39,56.68
CS2_: J45.7 J47.4 | length 11.2
  Bottom Layer w0.6: J47.4@315.925,45.51 315.927,45.513 315.927,56.677 J45.7@315.93,56.68
D0: J9.4 J35.7 | length 56.4
  Bottom Layer w0.6: J35.7@286.97,121.45 286.97,119.36 325.08,81.25 J9.4@325.08,80.799
D0_: J12.7 J46.4 | length 11.2
  Bottom Layer w0.6: J46.4@293.065,45.485 293.067,45.488 293.067,56.677 J12.7@293.07,56.68
D1: J9.5 J35.8 | length 56.4
  Bottom Layer w0.6: J35.8@289.51,121.45 289.526,121.434 289.526,119.404 327.62,81.31 J9.5@327.62,80.799
D1_: J12.8 J46.5 | length 11.2
  Bottom Layer w0.6: J46.5@295.605,45.485 J46.5@295.607,45.488 ; J46.5@295.607,45.513 295.607,56.677 J12.8@295.61,56.68
D2: J9.6 J35.9 | length 56.4
  Bottom Layer w0.6: J35.9@292.05,121.45 292.05,119.48 330.16,81.37 J9.6@330.16,80.799
D2_: J12.9 J46.6 | length 11.2
  Bottom Layer w0.6: J46.6@298.145,45.485 298.147,45.488 298.147,56.677 J12.9@298.15,56.68
D3: J9.7 J35.10 | length 56.4
  Bottom Layer w0.6: J35.10@294.59,121.45 294.59,119.309 332.7,81.199 J9.7@332.7,80.799
D3_: J45.1 J46.7 | length 11.2
  Bottom Layer w0.6: J46.7@300.685,45.485 300.687,45.488 300.687,56.677 J45.1@300.69,56.68
D4: J9.8 J10.5 J35.11 | length 61.9
  Bottom Layer w0.6: J35.11@297.13,121.45 297.13,119.4 335.24,81.29 J9.8@335.24,80.799 ; J9.8@335.315,80.724 335.315,75.375 J10.5@335.39,75.3
D4_: J45.2 J46.8 | length 11.2
  Bottom Layer w0.6: J46.8@303.225,45.485 303.227,45.488 303.227,56.677 J45.2@303.23,56.68
D5: J9.9 J10.6 J35.12 | length 61.9
  Bottom Layer w0.6: J35.12@299.67,121.45 299.606,121.386 299.606,119.824 337.627,81.803 337.627,80.952 J9.9@337.78,80.799 ; J9.9@337.855,80.724 337.855,75.375 J10.6@337.93,75.3
D5_: J45.3 J46.9 | length 11.2
  Bottom Layer w0.6: J46.9@305.765,45.485 305.767,45.488 305.767,56.677 J45.3@305.77,56.68
D6: J10.7 J11.1 J35.13 | length 62
  Bottom Layer w0.6: J35.13@302.21,121.45 302.21,119.82 340.465,81.565 340.465,75.305 J10.7@340.47,75.3
D6_: J45.4 J47.1 | length 11.2
  Bottom Layer w0.6: J47.1@308.305,45.51 308.307,45.513 308.307,56.677 J45.4@308.31,56.68
D7: J10.8 J11.2 J35.14 | length 62
  Bottom Layer w0.6: J35.14@304.75,121.45 304.75,119.88 343,81.63 J11.2@343,80.8 ; J11.2@343.005,80.795 343.005,75.305 J10.8@343.01,75.3
D7_: J45.5 J47.2 | length 11.2
  Bottom Layer w0.6: J47.2@310.817,45.538 J47.2@310.845,45.51 310.847,45.513 310.847,56.65 310.834,56.664 J45.5@310.85,56.68
DATA: 
DIG1: Q5.2 R13.1 | length 3.6
  Bottom Layer w0.4: Q5.2@47.197,23.73 47.213,23.747 47.213,27.284 R13.1@47.23,27.3 ; R13.1@47.214,26.888 R13.1@47.23,26.905
DIG2: Q6.2 R14.1 | length 4.4
  Bottom Layer w0.4: R14.1@52.651,26.905 R14.1@52.655,26.902 ; Q6.2@52.658,22.968 52.694,23.004 52.694,27.264 R14.1@52.73,27.3
DIG3: Q7.2 R15.1 | length 3.6
  Bottom Layer w0.4: R15.1@89.13,27.3 89.166,27.264 89.166,23.766 Q7.2@89.202,23.73
DIG4: Q4.2 R16.1 | length 4.3
  Bottom Layer w0.4: R16.1@94.63,27.3 94.646,27.284 94.646,22.985 Q4.2@94.663,22.968
EN: J9.3 J10.3 J35.6 | length 67
  Bottom Layer w0.6: J35.6@284.43,121.45 284.436,121.444 284.436,119.394 322.54,81.29 322.54,80.399 324.89,78.049 327.96,78.049 330.31,75.7 J10.3@330.31,75.3
EN_: J12.6 J46.3 | length 11.2
  Bottom Layer w0.6: J46.3@290.525,45.485 290.527,45.488 290.527,56.677 J12.6@290.53,56.68
GND: BT1.2 BZ1.2 C1.2 C2.2 C3.2 C7.1 C8.1 C9.1 C10.2 C11.2 C12.2 C14.2 C15.2 D5.1 D6.1 D7.1 D8.1 D19.2 J3.2 J12.1 J22.2 J34.5 J35.1 J35.16 J39.3 J39.4 J40.1 J40.2 J48.2 J49.4 J49.6 J49.8 J49.10 J50.2 J50.3 P1.5 Q2.1 Q3.1 R2.1 R7.2 R8.2 R11.1 R12.3 R25.2 R26.2 R27.2 R28.2 R29.1 R49.2 R50.2 R52.2 R53.2 R59.1 SW1.2 SW1.3 SW2.2 SW2.3 SW3.2 SW3.3 U1.11 U1.31 U3.8 U4.2 U5.2 U6.1 U7.4 U8.1 U8.2 U8.3 U8.4 U8.7 U9.4 U10.4 U10.7 U12.5 U13.5 | length 474.5
  Bottom Layer w0.4: C3.2@197.7,67.1 197.7,61.6 R2.1@201.3,58 J40.1@213.13,58
  Bottom Layer w0.5: U3.8@238.92,5.025 238.92,12.45 240.27,13.8 C9.1@240.27,14 ; J35.1@271.73,121.45 271.73,118.9 295.73,94.9 295.73,75.5 296.58,74.65 303.08,74.65 304.83,76.4 R11.1@305.03,76.4
  Bottom Layer w0.6: U13.5@187.426,14.318 187.49,14.255 187.49,5.619 J34.5@187.603,5.505 ; J34.5@187.553,5.555 J34.5@187.603,5.505 ; U12.5@199.491,14.318 199.491,13.918 195.093,9.52 195.093,3.584 194.593,3.084 187.955,3.084 187.603,3.436 J34.5@187.603,5.505 ; D6.1@217.12,22.505 217.12,20.476 217.471,20.125 226.02,20.125 226.42,20.525 D5.1@226.42,22.505 ; C8.1@251.42,24.525 D8.1@251.42,22.505 251.42,20.476 251.771,20.125 260.32,20.125 260.72,20.525 D7.1@260.72,22.505 260.825,22.4 262.17,22.4 263.98,20.59 J3.2@263.98,5.525 ; J12.1@277.83,56.68 277.83,57.08 283.25,62.5 305.43,62.5 307.23,64.3 307.23,74.2 R11.1@305.03,76.4 ; Q3.1@298.92,39.395 Q2.1@307.05,39.395 ; J48.2@326.09,56.68 326.09,56.28 328.73,53.64 R12.3@328.73,49.5
  Bottom Layer w0.8: J50.2@2.6,6.3 3.3,6.3 4.5,5.1 9.581,5.1 10.781,6.3 11.475,6.3 12.513,5.262 21.047,5.262 22.125,6.34 25.15,6.34 26.071,7.261 27.523,7.261 C14.2@27.6,7.338 ; J50.3@5.3,8.8 8.15,8.8 U5.2@10.65,6.3 ; R25.2@48.993,33.627 R26.2@52.193,33.627 R27.2@55.393,33.627 R28.2@58.593,33.627 ; U8.4@66.41,38.531 U8.2@66.41,43.611 ; U8.1@66.41,46.151 U8.2@66.41,43.611 ; U8.7@74.03,43.611 U8.2@66.41,43.611 ; C12.2@90.576,37.726 92.146,37.726 92.831,38.411 92.831,38.547 93.201,38.916 SW3.3@93.384,38.916 SW3.2@99.784,38.916 99.968,38.916 100.338,39.286 100.338,39.47 101.93,41.062 101.93,46.4 SW2.2@100.079,48.251 ; C11.2@90.576,47.251 92.146,47.251 93.146,48.251 SW2.3@93.384,48.251 SW2.2@99.784,48.251 SW2.2@100.079,48.251 ; C10.2@90.576,56.776 92.146,56.776 93.019,57.649 SW1.3@93.384,57.649 100.381,57.649 101.83,56.2 101.83,49.9 100.181,48.251 SW2.2@100.079,48.251 ; D19.2@115.359,34.778 115.159,34.778 113.034,32.653 113.034,27.9 ; BT1.2@115.58,12.68 115.58,21.722 113.034,24.268 113.034,27.9 ; U10.4@118.769,57.956 121.186,57.956 122.43,59.2 122.43,61.8 123.666,63.036 U10.7@126.389,63.036 ; U7.4@120.566,29.571 120.166,29.571 118.495,27.9 113.034,27.9 ; R29.1@124.458,46.43 124.458,46.892 125.347,47.781 U6.1@125.347,52.78 ; BZ1.2@137.29,46.754 139,48.464 J22.2@139,53.2 ; C7.1@146.782,20.813 146.782,17.248 151.93,12.1 154.93,12.1 154.93,12.036 155.917,11.049 P1.5@155.917,10.778 ; R49.2@170.791,45.229 170.881,45.139 172.991,45.139 R50.2@177.33,40.8 ; J49.4@190.18,78.7 J49.10@197.8,78.7 ; C2.2@194.7,48.7 194.8,48.7 195.9,49.8 195.9,50.192 197.008,51.3 C1.2@197.1,51.3 ; J40.1@213.22,58.03 U1.11@226.78,58.03 ; R7.2@233.82,22.625 R8.2@233.82,26.625 ; U1.31@242.065,60.525 J39.4@255.625,60.525
GREEN: D20.3 R36.1 | length 5.7
  Bottom Layer w0.8: D20.3@19.036,35.392 19.036,31.411 20.044,30.403 R36.1@20.044,30.078
"ISEN A": J4.7 R8.1 U3.1 | length 39.7
  Bottom Layer w0.5: J4.7@232.57,18.425 232.57,18.825 233.72,19.975 237.675,19.975 238.6,20.9 249.57,20.9 ; R8.1@244.02,26.625 247.175,26.625 249.57,24.23 249.57,20.9 ; U3.1@247.81,10.105 247.81,13.7 249.57,15.46 249.57,20.9
"ISEN B": J4.8 R7.1 U3.15 | length 24.3
  Bottom Layer w0.5: U3.15@230.03,10.105 J4.8@230.03,18.425 230.03,18.825 231.88,20.675 236.9,20.675 238.85,22.625 R7.1@244.02,22.625
LED1: D11.2 R59.2 | length 19.7
  Bottom Layer w0.5: D11.2@209.283,99.378 211.053,99.378 215.183,95.248 224.563,95.248 226.163,93.648 R59.2@226.163,93.248
LED2: D12.2 R59.3 | length 15.2
  Bottom Layer w0.5: D12.2@216.283,99.378 216.483,99.378 219.913,95.948 226.403,95.948 228.703,93.648 R59.3@228.703,93.248
LED3: D13.2 R59.4 | length 11.6
  Bottom Layer w0.5: D13.2@223.283,99.378 223.283,97.948 224.583,96.648 228.243,96.648 231.243,93.648 R59.4@231.243,93.248
LED4: D14.2 R59.5 | length 7.6
  Bottom Layer w0.5: D14.2@230.283,99.378 230.283,97.148 233.783,93.648 R59.5@233.783,93.248
LED5: D15.2 R59.6 | length 6.5
  Bottom Layer w0.5: R59.6@236.323,93.248 236.323,93.779 237.283,94.739 D15.2@237.283,99.378
LED6: D16.2 R59.7 | length 9.5
  Bottom Layer w0.5: R59.7@238.863,93.248 238.863,93.648 239.983,94.768 239.983,97.048 242.313,99.378 D16.2@244.283,99.378
LED7: D17.2 R59.8 | length 12.7
  Bottom Layer w0.5: R59.8@241.403,93.248 241.403,93.648 247.133,99.378 D17.2@251.283,99.378
LED8: D18.2 R59.9 | length 17
  Bottom Layer w0.5: R59.9@243.943,93.248 243.943,93.405 244.359,93.82 244.515,93.82 247.841,97.147 255.851,97.147 258.083,99.378 D18.2@258.283,99.378